# Altium PCB BMS_Slave V0.1.PcbDoc (part 1 of 2)
Units mil, origin at the board's own origin, x right, y up, seen from the top; angles counter-clockwise.
Board outline 2125.98 x 5196.85 mil, 4 copper layers (Top Layer, Int1 (GND), Int2 (PWR), Bottom Layer), stack 61.418 mil thick; 199 components, 148 nets, 515 pads, 193 vias.
Unrouted connection lines stored in the file: 50.
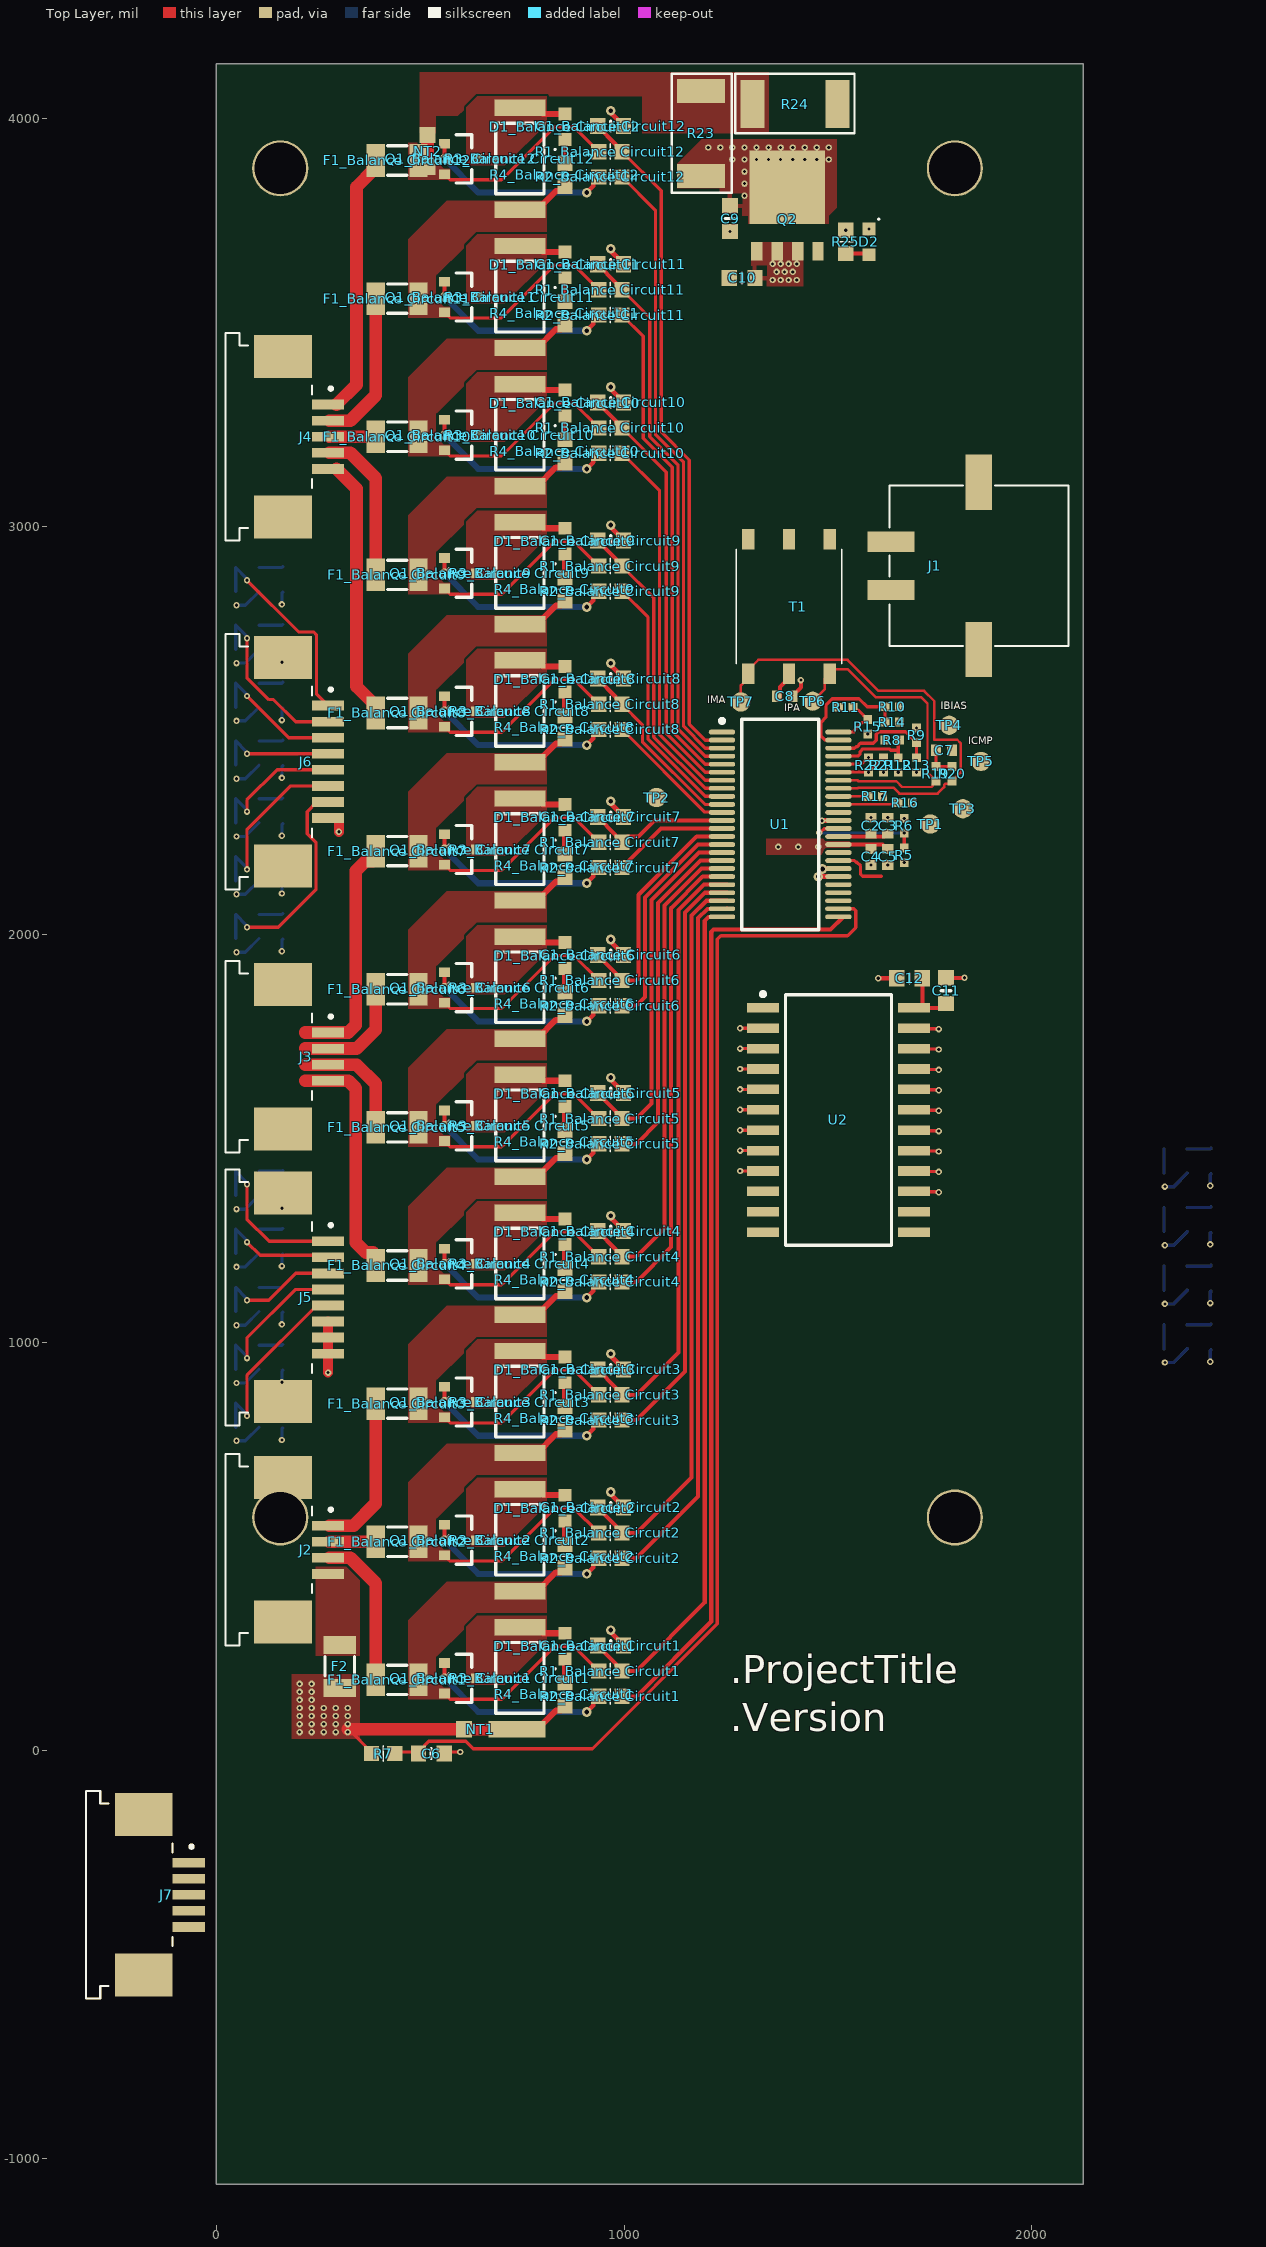
[diagram p0: Top Layer view]
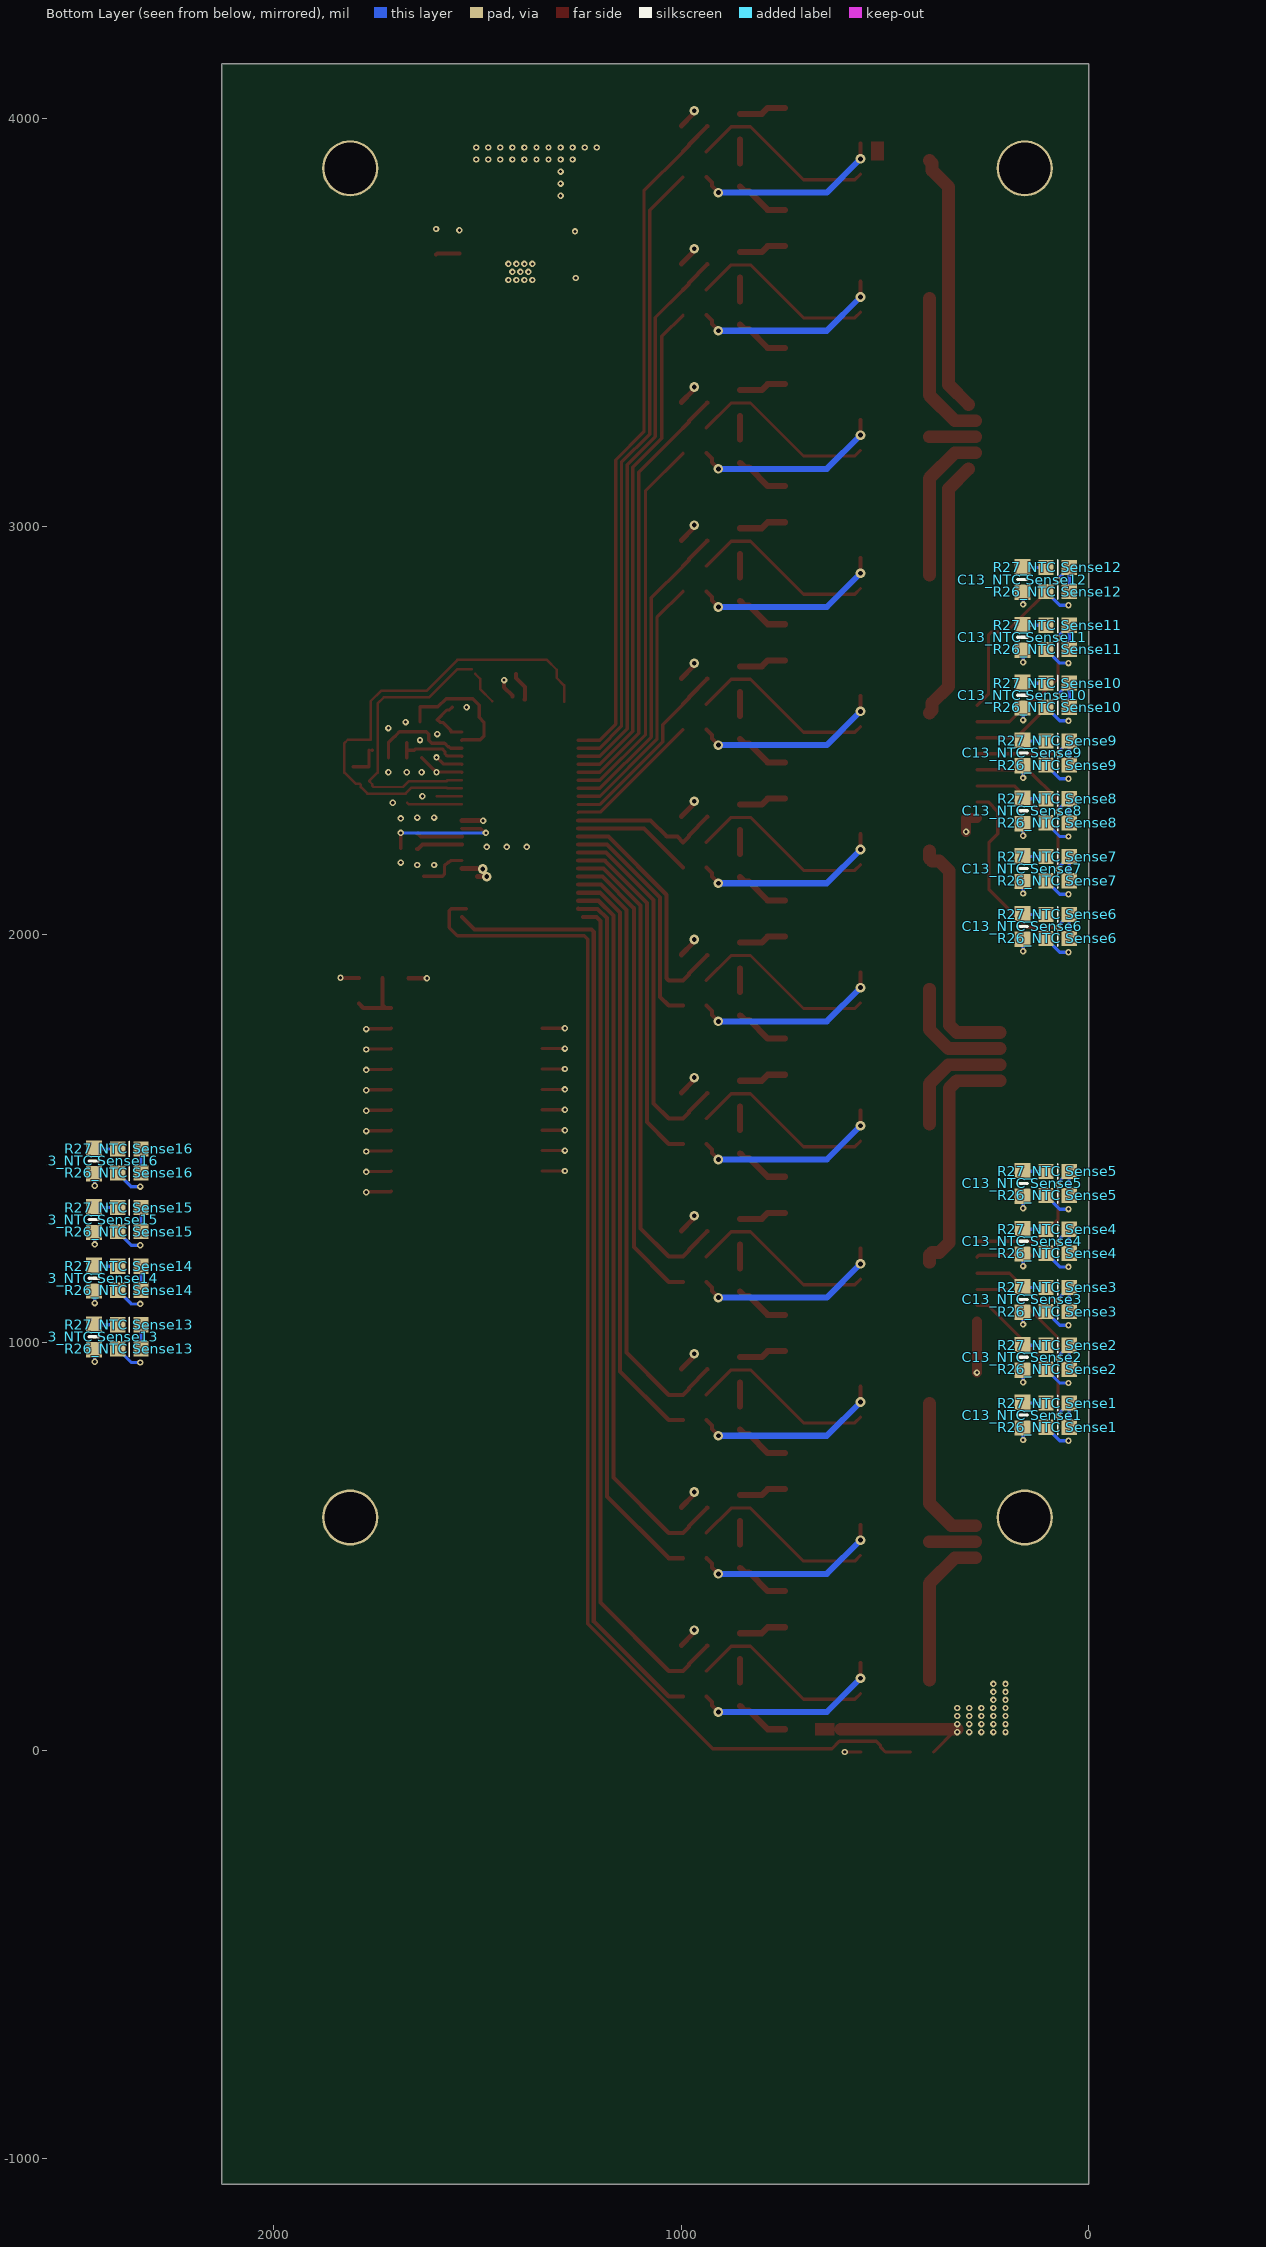
[diagram p1: Bottom Layer view, seen from below]
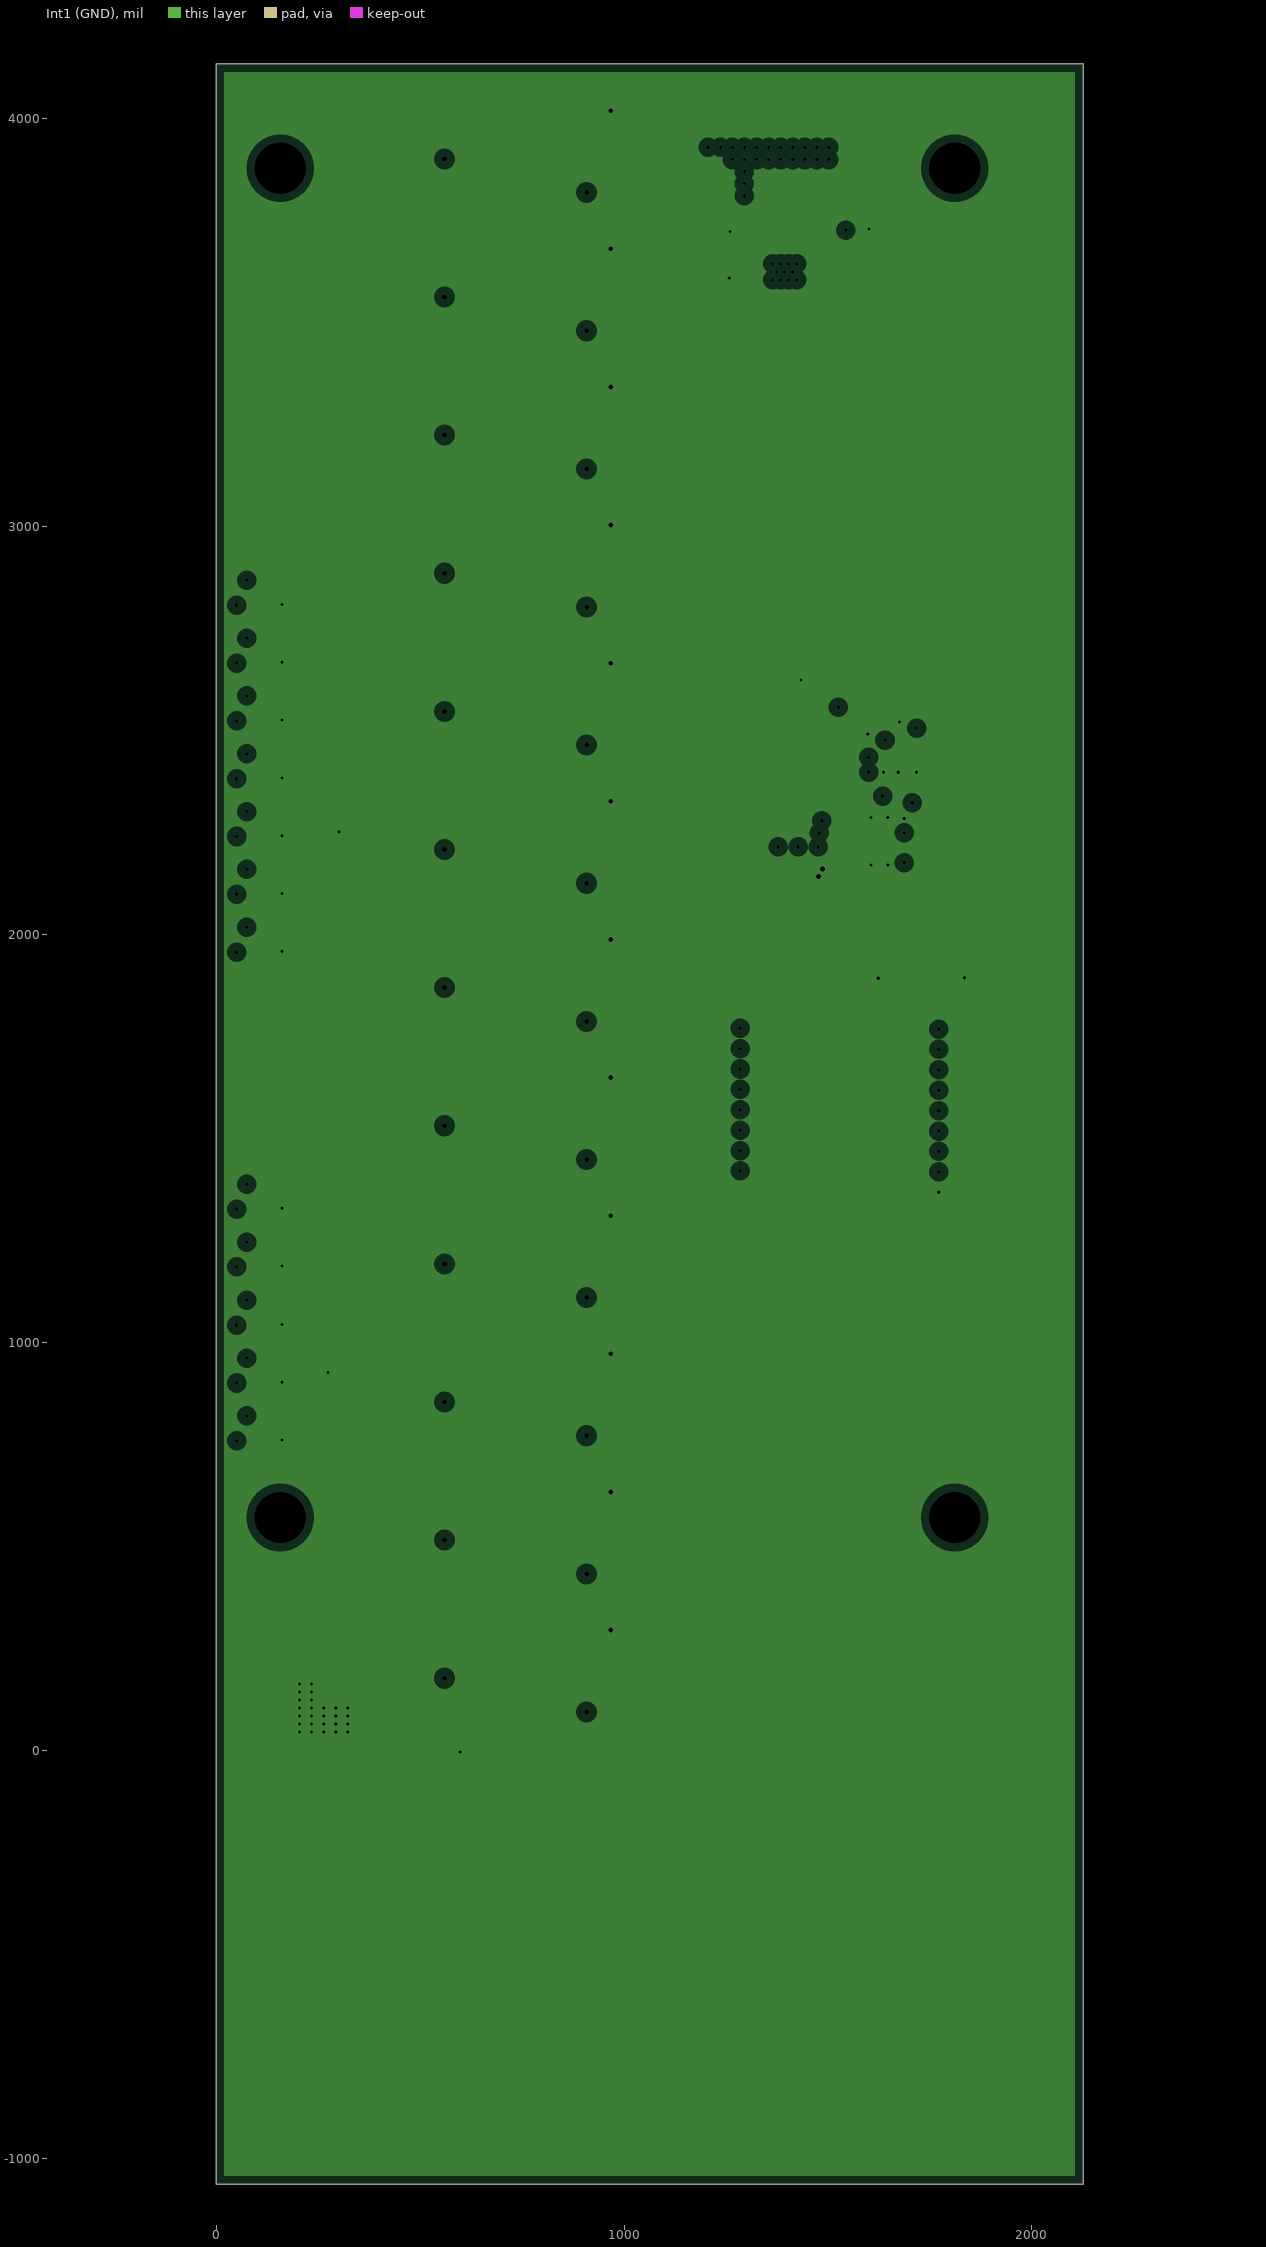
[diagram p2: Int1 (GND), clearances drawn from the general rule]
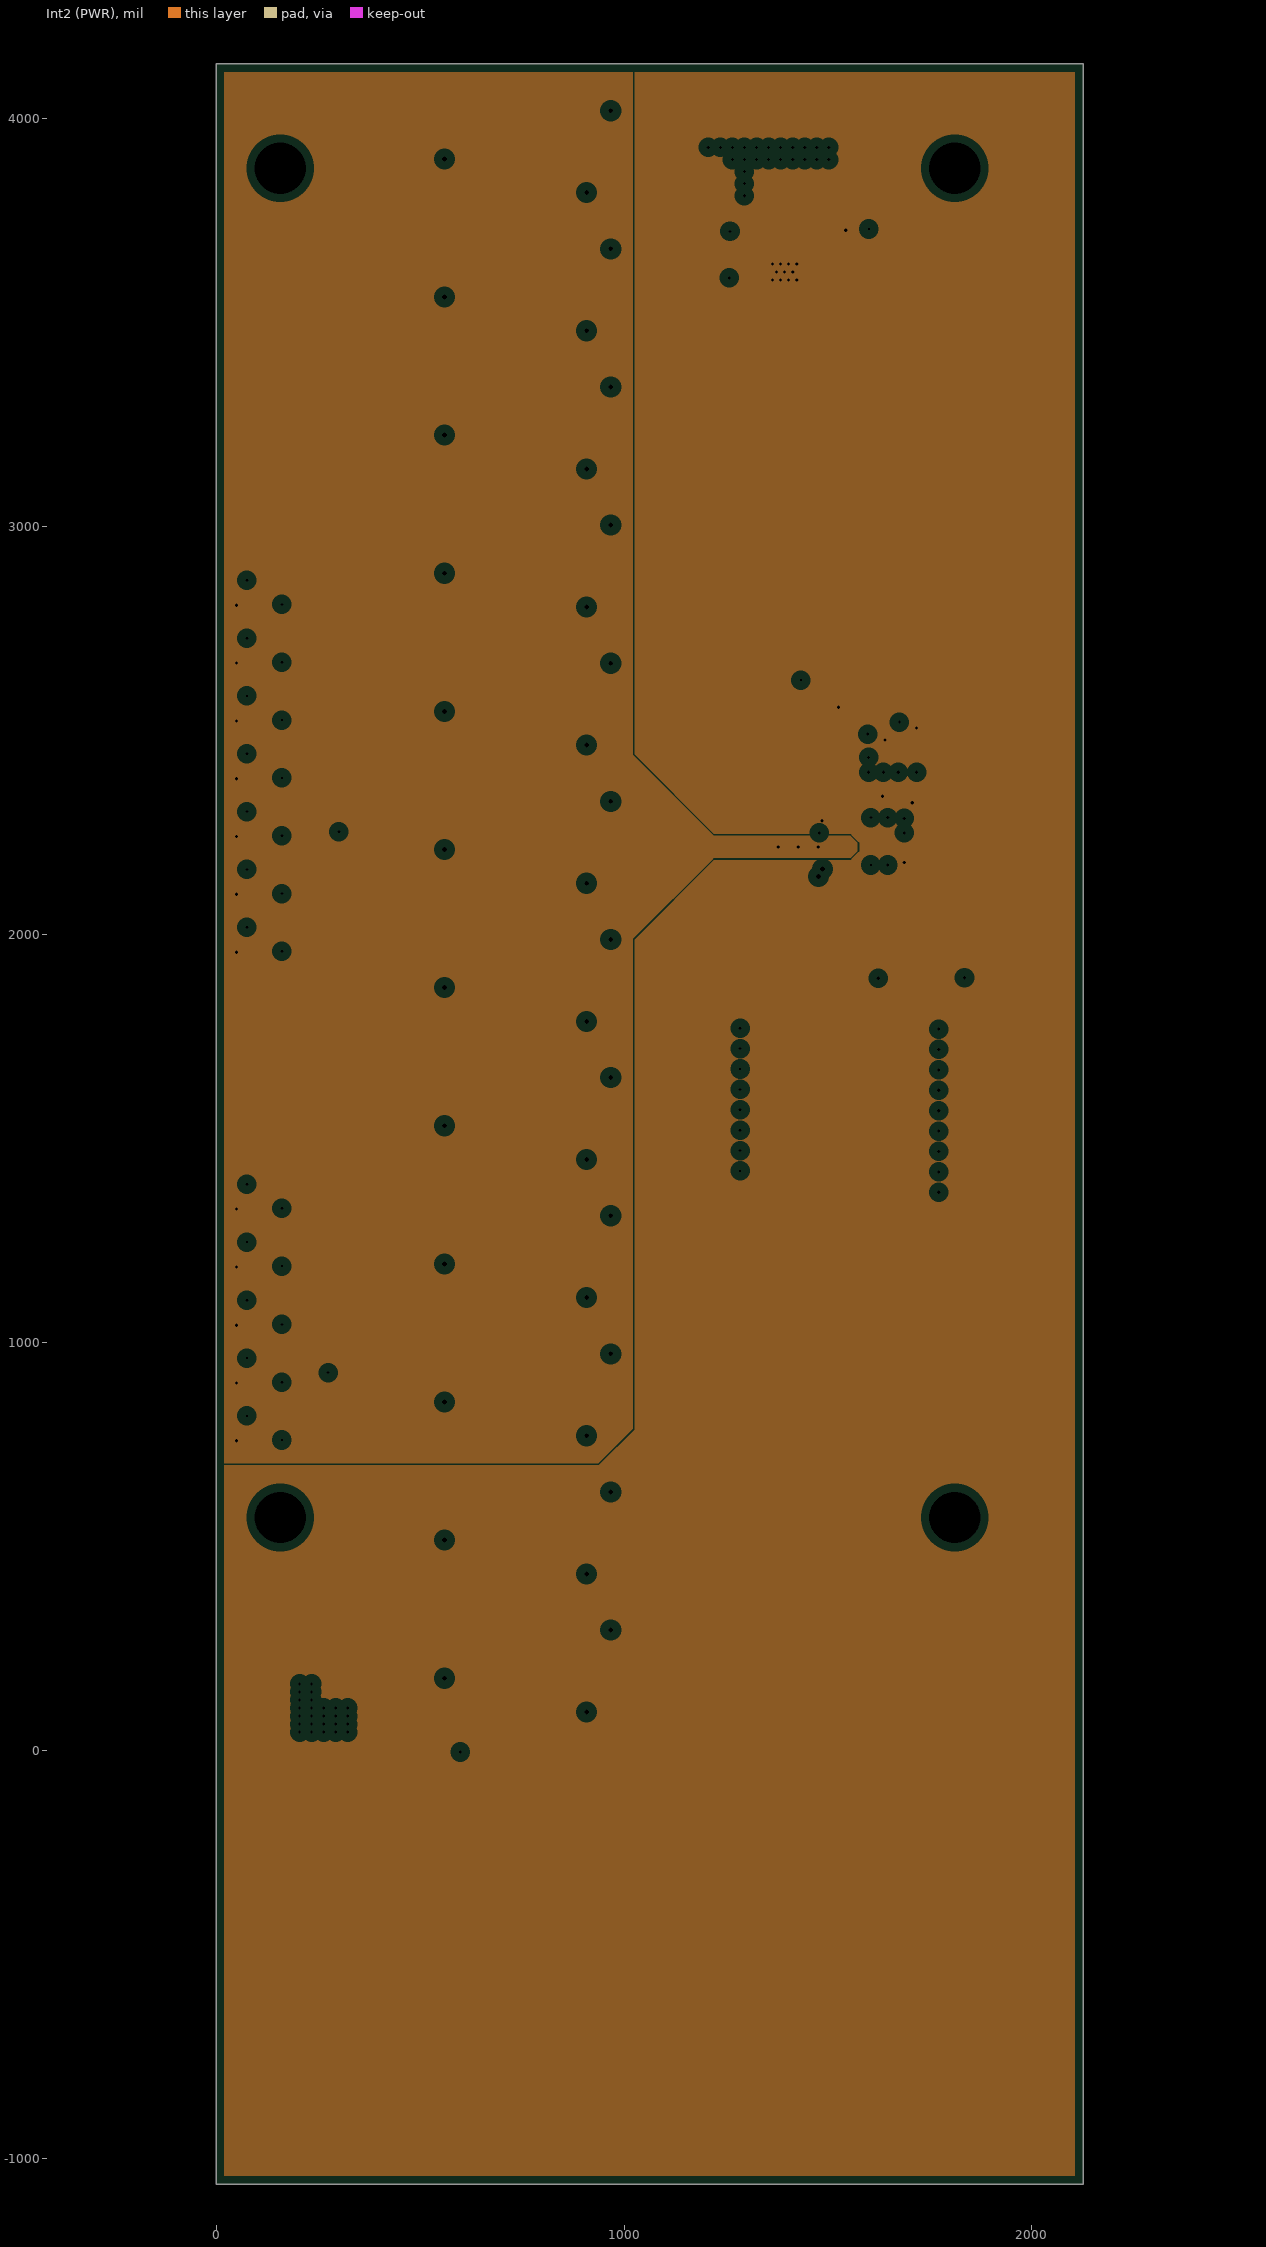
[diagram p3: Int2 (PWR), clearances drawn from the general rule]
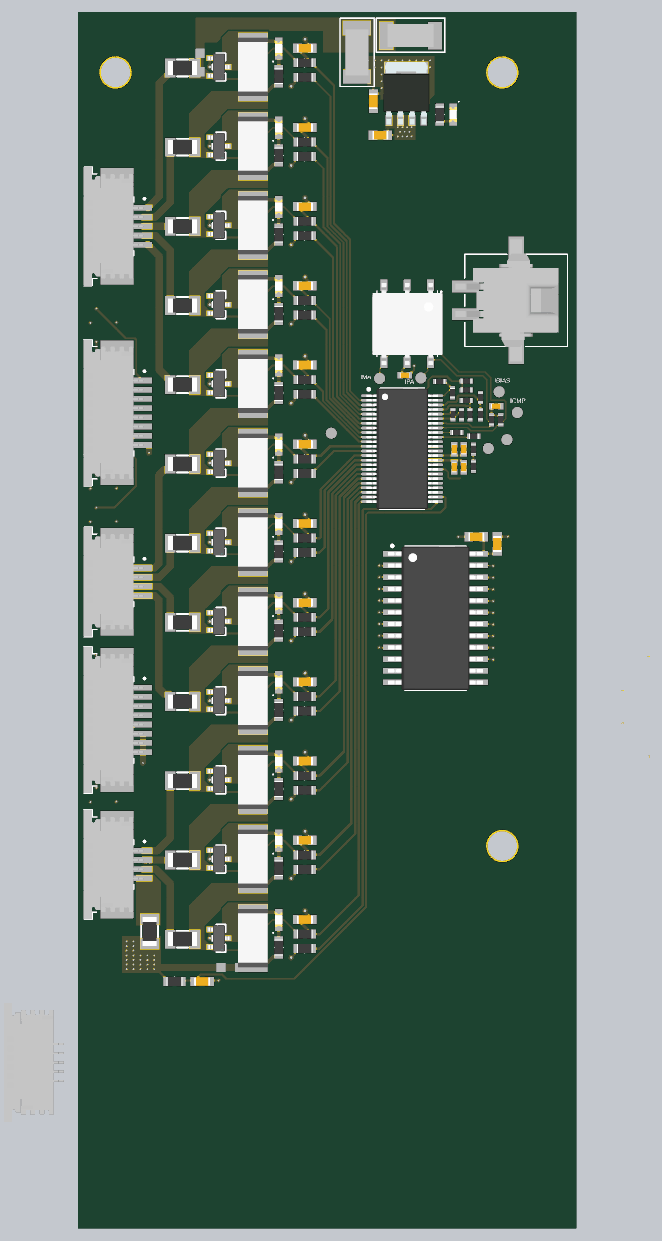
[diagram p5: 3D render of the assembled board from above, using the file's embedded part models]
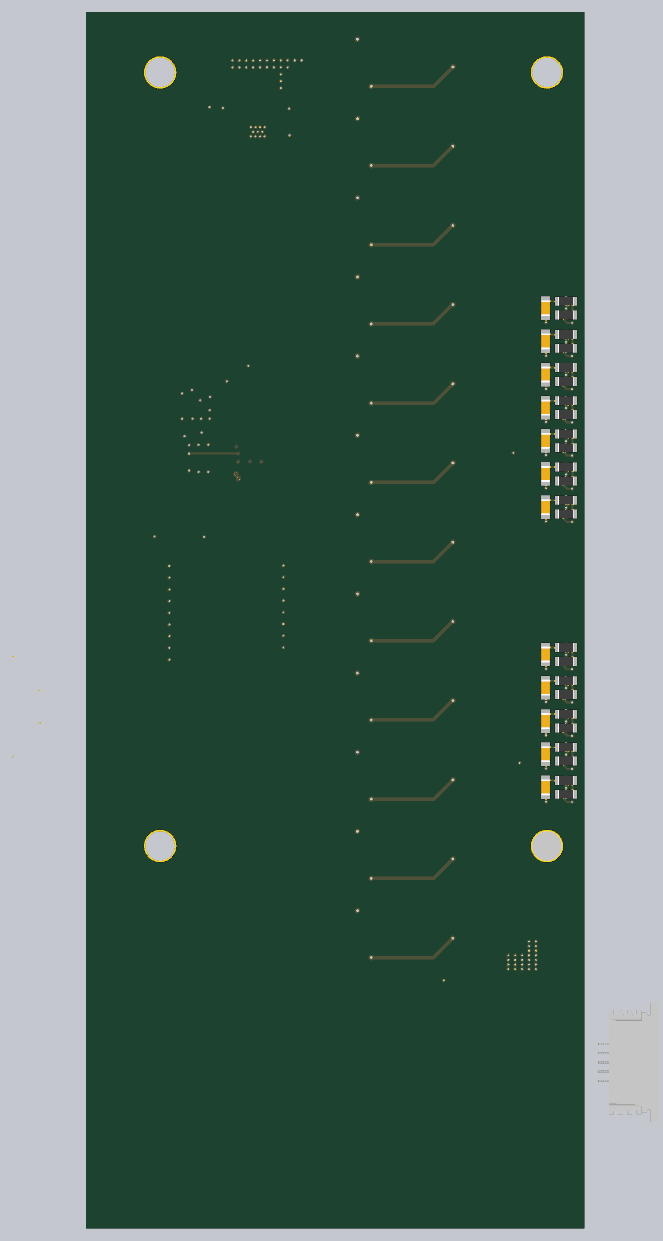
[diagram p6: 3D render of the assembled board from below, using the file's embedded part models]

## Layer stack, top to bottom
Top Solder: solder mask 1, SM-001, Dk 4
Top Layer: signal copper 1.378
Dielectric 2: prepreg 4.331, PP-017, Dk 4.29
Int1 (GND): plane copper 1.378, net GND
Dielectric 3: core 47.244, Core-039, Dk 4.29
Int2 (PWR): plane copper 1.378, net 5V0
Dielectric 4: prepreg 4.331, PP-017, Dk 4.29
Bottom Layer: signal copper 1.378
Bottom Solder: solder mask 1, SM-001, Dk 4

## Board outline
0,-1062.99 2125.98,-1062.99 2125.98,4133.86 0,4133.86

## Design rules (kind name [scope] priority, off if disabled: settings)
BoardOutlineClearance [All] p1: gap=19.68 ignorepadtopadclearanceinfootprint=FALSE except(0: Arc-SplitContinuation Track-SplitContinuation SMDPad-SplitContinuation THPad-SplitContinuation Via-SplitContinuation Fill-SplitContinuation Poly-SplitContinuation Region-SplitContinuation Text-SplitContinuation)
Clearance [All] p1: gap=6 ignorepadtopadclearanceinfootprint=FALSE
ComponentClearance ComponentClearance-NT [HasFootprint('NetTie')] p1: gap=0 collisioncheckmode=3 verticalgap=0 showdistances=FALSE
ComponentClearance [All] p2: gap=10 collisioncheckmode=3 verticalgap=10 showdistances=FALSE
DiffPairsRouting [InDifferentialPairClass('isoSPI')] p1: maxlimit=10 minlimit=10 mostfreqgap=10 toplayer_minwidth=6 toplayer_maxwidth=6 toplayer_prefwidth=6 bottomlayer_minwidth=6 bottomlayer_maxwidth=6 bottomlayer_prefwidth=6 impedanceprofiledriven=TRUE impedanceprofileid={1BC84866-0E51-48B1-BDBB-AED9452DC2EB} impedanceprofilevalue=100.000000 maxuncoupledlength=1968.5
HoleSize [All] p1: absolutevalues=TRUE maxlimit=248.03 minlimit=7.87 maxpercent=80.000 minpercent=20.000
HoleToHoleClearance [All] p1: gap=11 allowstackedmicrovias=TRUE
MinimumAnnularRing [All] p1: minimumring=6
MinimumSolderMaskSliver [All] p1: minsoldermaskwidth=4
PlaneClearance [All] p1: clearance=20
PlaneConnect [All] p1: planeconnectstyle=Direct reliefexpansion=20 reliefentries=4 reliefconductorwidth=10 reliefairgap=10
PolygonConnect PolygonConnect-Passive [HasFootprint('C-0402') or HasFootprint('R_0402') or HasFootprint('C_0603') or HasFootprint('R-0603')] p1: thpad.connectstyle=Direct thpad.reliefconductorwidth=10 thpad.reliefentries=4 thpad.polygonreliefangle="90 Angle" thpad.airgapwidth=10 smdpad.connectstyle=Relief smdpad.reliefconductorwidth=10 smdpad.reliefentries=4 smdpad.polygonreliefangle="90 Angle" smdpad.airgapwidth=10 via.connectstyle=Direct via.reliefconductorwidth=10 via.reliefentries=4 via.polygonreliefangle="90 Angle" via.airgapwidth=10
PolygonConnect "Power Connect" [All] p2: connectstyle=Direct reliefconductorwidth=10 reliefentries=4 polygonreliefangle="90 Angle" airgapwidth=10
PolygonConnect [All] p3: thpad.connectstyle=Direct thpad.reliefconductorwidth=10 thpad.reliefentries=4 thpad.polygonreliefangle="90 Angle" thpad.airgapwidth=10 smdpad.connectstyle=Relief smdpad.reliefconductorwidth=10 smdpad.reliefentries=4 smdpad.polygonreliefangle="90 Angle" smdpad.airgapwidth=10 via.connectstyle=Direct via.reliefconductorwidth=10 via.reliefentries=4 via.polygonreliefangle="90 Angle" via.airgapwidth=10
RoomDefinition "NTC Sense6" [InComponentClass('NTC Sense6')] p1: confinementstyle=ConfineIn formatcopy=TRUE lockcomponents=FALSE outline 7.87,1948.82 204.72,1948.82 204.72,2090.55 7.87,2090.55
RoomDefinition "NTC Sense5" [InComponentClass('NTC Sense5')] p2: confinementstyle=ConfineIn formatcopy=TRUE lockcomponents=FALSE outline 7.87,1318.9 204.72,1318.9 204.72,1460.63 7.87,1460.63
RoomDefinition "NTC Sense1" [InComponentClass('NTC Sense1')] p3: confinementstyle=ConfineIn formatcopy=TRUE lockcomponents=FALSE outline 7.87,750.98 204.72,750.98 204.72,892.72 7.87,892.72
RoomDefinition "NTC Sense2" [InComponentClass('NTC Sense2')] p4: confinementstyle=ConfineIn formatcopy=TRUE lockcomponents=FALSE outline 7.87,892.72 204.72,892.72 204.72,1034.45 7.87,1034.45
RoomDefinition "NTC Sense3" [InComponentClass('NTC Sense3')] p5: confinementstyle=ConfineIn formatcopy=TRUE lockcomponents=FALSE outline 7.87,1034.45 204.72,1034.45 204.72,1176.18 7.87,1176.18
RoomDefinition "NTC Sense4" [InComponentClass('NTC Sense4')] p6: confinementstyle=ConfineIn formatcopy=TRUE lockcomponents=FALSE outline 7.87,1177.17 204.72,1177.17 204.72,1318.9 7.87,1318.9
RoomDefinition "NTC Sense9" [InComponentClass('NTC Sense9')] p7: confinementstyle=ConfineIn formatcopy=TRUE lockcomponents=FALSE outline 7.87,2374.02 204.72,2374.02 204.72,2515.75 7.87,2515.75
RoomDefinition "NTC Sense10" [InComponentClass('NTC Sense10')] p8: confinementstyle=ConfineIn formatcopy=TRUE lockcomponents=FALSE outline 7.87,2515.75 204.72,2515.75 204.72,2657.48 7.87,2657.48
RoomDefinition "NTC Sense11" [InComponentClass('NTC Sense11')] p9: confinementstyle=ConfineIn formatcopy=TRUE lockcomponents=FALSE outline 7.87,2657.48 204.72,2657.48 204.72,2799.21 7.87,2799.21
RoomDefinition "NTC Sense12" [InComponentClass('NTC Sense12')] p10: confinementstyle=ConfineIn formatcopy=TRUE lockcomponents=FALSE outline 7.87,2799.21 204.72,2799.21 204.72,2940.95 7.87,2940.95
RoomDefinition "NTC Sense7" [InComponentClass('NTC Sense7')] p11: confinementstyle=ConfineIn formatcopy=TRUE lockcomponents=FALSE outline 7.87,2090.55 204.72,2090.55 204.72,2232.28 7.87,2232.28
RoomDefinition "NTC Sense8" [InComponentClass('NTC Sense8')] p12: confinementstyle=ConfineIn formatcopy=TRUE lockcomponents=FALSE outline 7.87,2232.28 204.72,2232.28 204.72,2374.02 7.87,2374.02
RoomDefinition "NTC Sense13" [InComponentClass('NTC Sense13')] p13: confinementstyle=ConfineIn formatcopy=TRUE lockcomponents=FALSE outline 2283.46,942.91 2480.31,942.91 2480.31,1084.65 2283.46,1084.65
RoomDefinition "NTC Sense14" [InComponentClass('NTC Sense14')] p14: confinementstyle=ConfineIn formatcopy=TRUE lockcomponents=FALSE outline 2283.46,1086.61 2480.31,1086.61 2480.31,1228.35 2283.46,1228.35
RoomDefinition "NTC Sense16" [InComponentClass('NTC Sense16')] p15: confinementstyle=ConfineIn formatcopy=TRUE lockcomponents=FALSE outline 2283.46,1374.02 2480.31,1374.02 2480.31,1515.75 2283.46,1515.75
RoomDefinition "NTC Sense15" [InComponentClass('NTC Sense15')] p16: confinementstyle=ConfineIn formatcopy=TRUE lockcomponents=FALSE outline 2283.46,1230.32 2480.31,1230.32 2480.31,1372.05 2283.46,1372.05
RoomDefinition "Balance Circuit12" [InComponentClass('Balance Circuit12')] p17: confinementstyle=ConfineIn formatcopy=TRUE lockcomponents=FALSE outline 341.54,3731.89 1038.39,3731.89 1038.39,4070.47 341.54,4070.47
RoomDefinition "Balance Circuit8" [InComponentClass('Balance Circuit8')] p18: confinementstyle=ConfineIn formatcopy=TRUE lockcomponents=FALSE outline 341.54,2377.56 1038.39,2377.56 1038.39,2716.14 341.54,2716.14
RoomDefinition "Balance Circuit5" [InComponentClass('Balance Circuit5')] p19: confinementstyle=ConfineIn formatcopy=TRUE lockcomponents=FALSE outline 341.54,1361.81 1038.39,1361.81 1038.39,1700.39 341.54,1700.39
RoomDefinition "Balance Circuit4" [InComponentClass('Balance Circuit4')] p20: confinementstyle=ConfineIn formatcopy=TRUE lockcomponents=FALSE outline 341.54,1023.23 1038.39,1023.23 1038.39,1361.81 341.54,1361.81
RoomDefinition "Balance Circuit7" [InComponentClass('Balance Circuit7')] p21: confinementstyle=ConfineIn formatcopy=TRUE lockcomponents=FALSE outline 341.54,2038.98 1038.39,2038.98 1038.39,2377.56 341.54,2377.56
RoomDefinition "Balance Circuit6" [InComponentClass('Balance Circuit6')] p22: confinementstyle=ConfineIn formatcopy=TRUE lockcomponents=FALSE outline 341.54,1700.39 1038.39,1700.39 1038.39,2038.98 341.54,2038.98